# Altium PCB miniBackplane.PcbDoc (part 6 of 24) (continued)
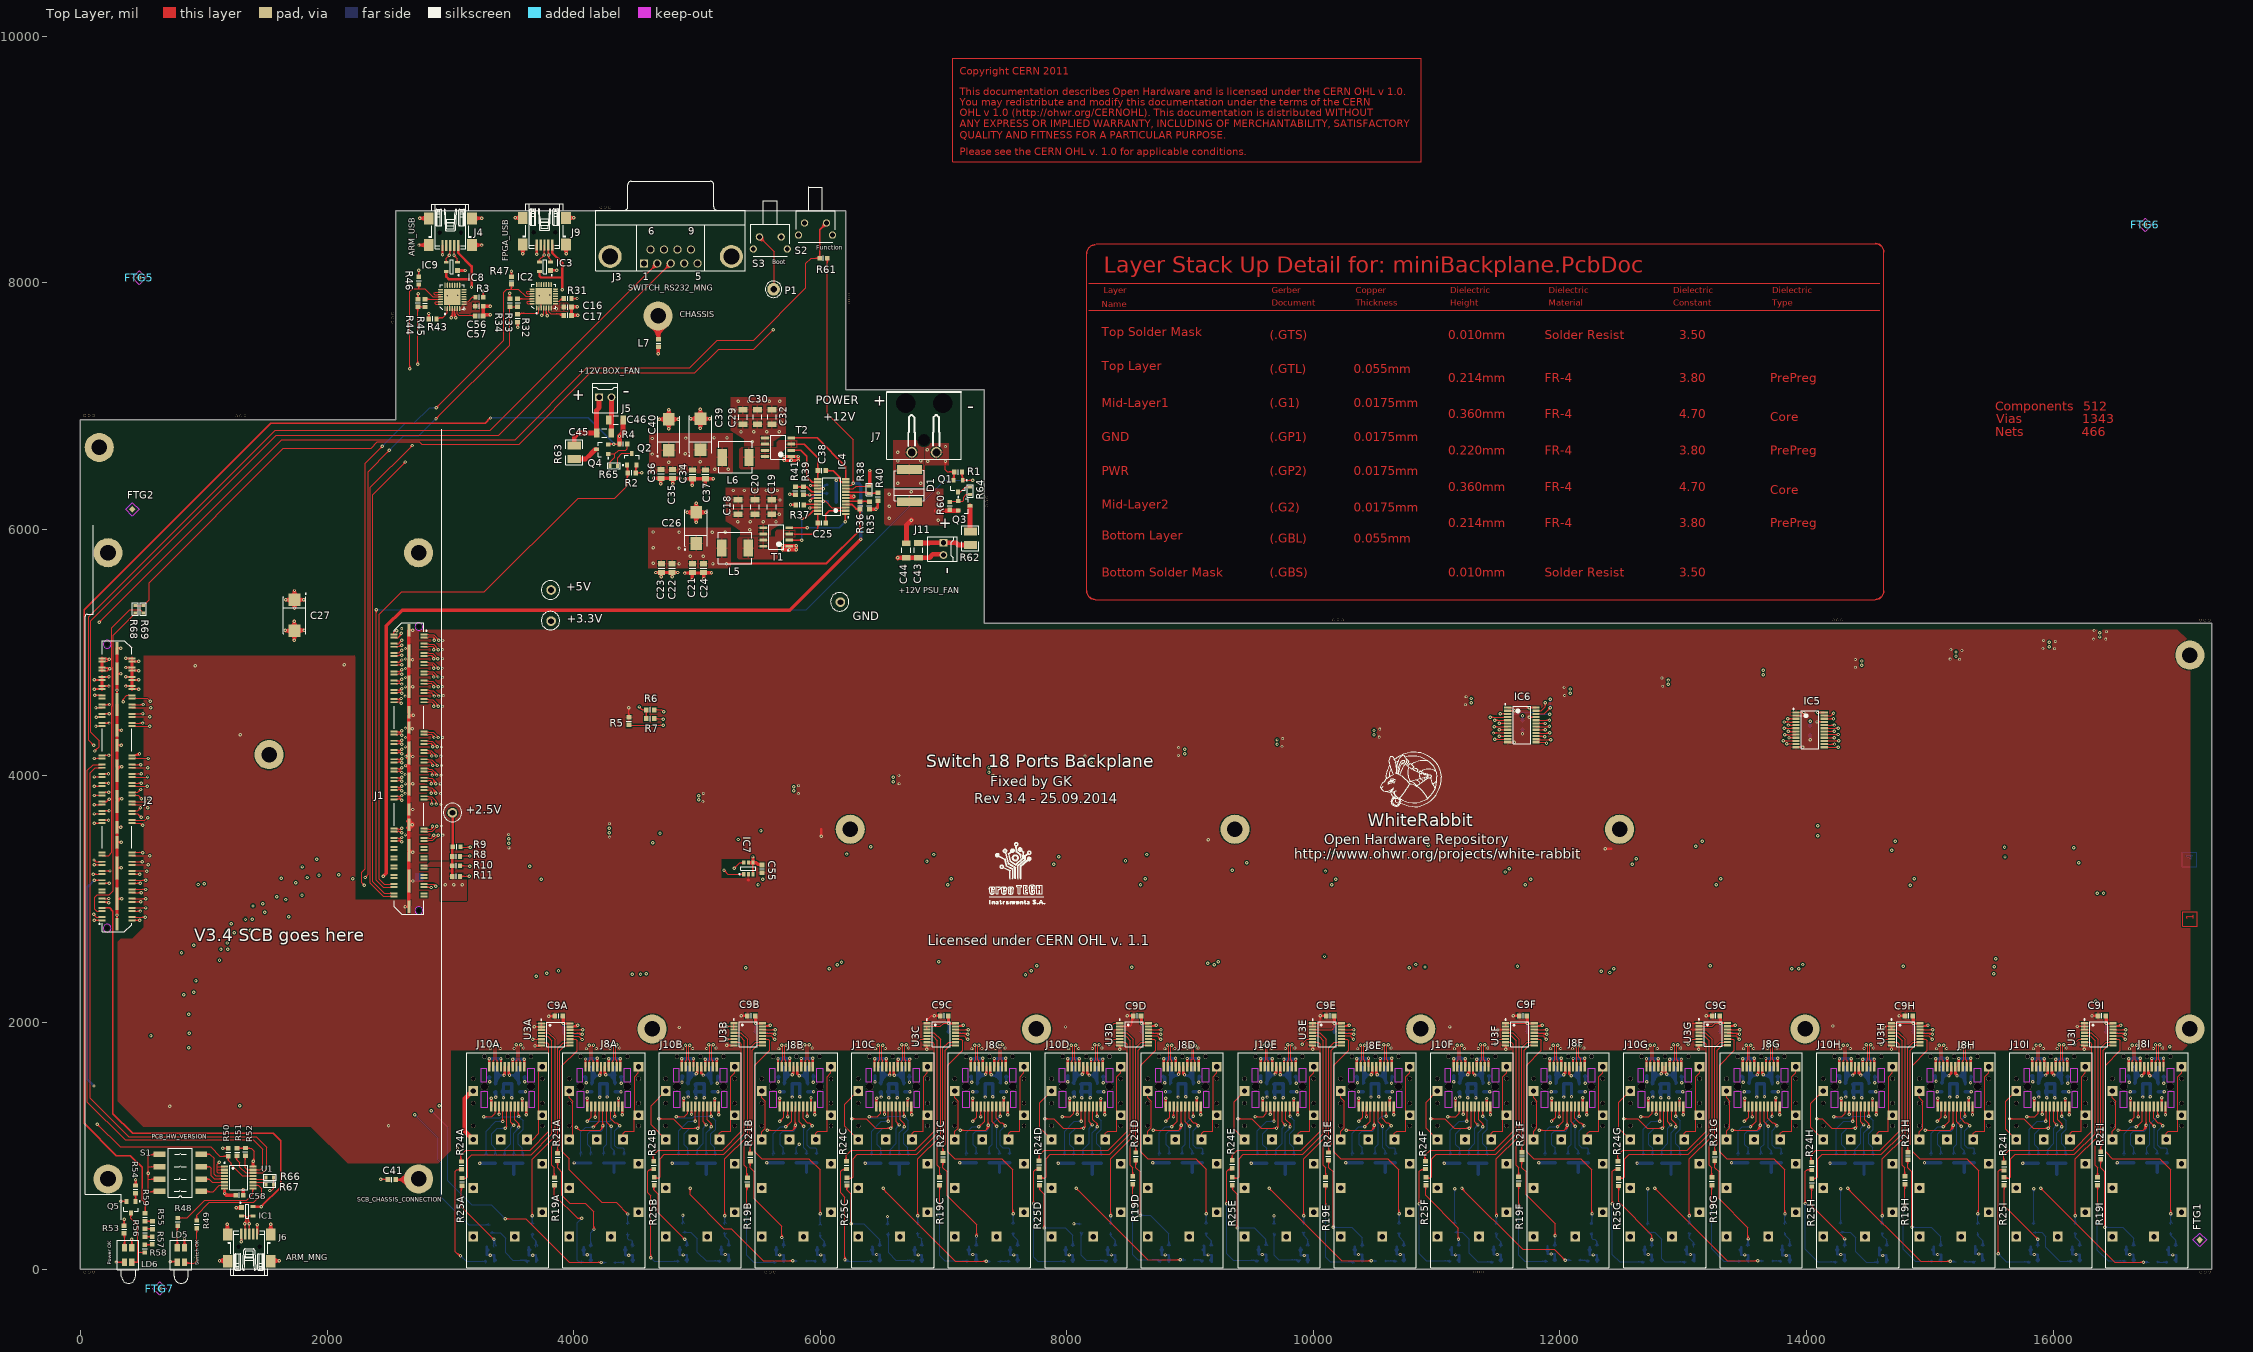
[diagram p0: Top Layer view]
## Nets (pads, with @x,y where several pads share a name; then routed paths per layer and width w, separated by ;. In a path a pad name is that pad's centre, name@x,y a point inside that pad or via, vN(x,y) a via of type N, cw(c..) or ccw(c..) an arc to the next point about the centre after c; other vN are vias at no path point) (continued)
  Mid-Layer 1 w7.09: v1@3157.68,3420.01 ccw(c3174.03,3425.49) 3169.56,3408.84 ; v1@3161.42,3425.2 3211.61,3375 5324,3375 5533.65,3165.35 16291.34,3165.35 v1(16409.45,3047.24) ; 5523.18,3168.93 ccw(c5538.68,3173.08) v1@5534.38,3157.62 ; 7038.28,3165.35 ccw(c7038.28,3190.07) 7055.75,3172.59 cw(c7038.28,3190.07) 7038.28,3165.35 ; 7038.28,3165.35 cw(c7038.28,3140.64) 7055.75,3158.12 ccw(c7038.28,3140.64) 7038.28,3165.35 ; 7087.7,3165.35 ccw(c7087.7,3140.64) 7070.23,3158.12 cw(c7087.7,3140.64) 7087.7,3165.35 ; 7087.7,3165.35 cw(c7087.7,3190.07) 7070.23,3172.59 ccw(c7087.7,3190.07) 7087.7,3165.35 ; 8613.08,3165.35 ccw(c8613.08,3190.07) 8630.56,3172.59 cw(c8613.08,3190.07) 8613.08,3165.35 ; 8613.08,3165.35 cw(c8613.08,3140.64) 8630.56,3158.12 ccw(c8613.08,3140.64) 8613.08,3165.35 ; 8662.51,3165.35 ccw(c8662.51,3140.64) 8645.03,3158.12 cw(c8662.51,3140.64) 8662.51,3165.35 ; 8662.51,3165.35 cw(c8662.51,3190.07) 8645.03,3172.59 ccw(c8662.51,3190.07) 8662.51,3165.35 ; 13278.44,3165.35 ccw(c13278.44,3190.07) 13295.91,3172.59 cw(c13278.44,3190.07) 13278.44,3165.35 ; 13278.44,3165.35 cw(c13278.44,3140.64) 13295.91,3158.12 ccw(c13278.44,3140.64) 13278.44,3165.35 ; 13327.86,3165.35 ccw(c13327.86,3140.64) 13310.39,3158.12 cw(c13327.86,3140.64) 13327.86,3165.35 ; 13327.86,3165.35 cw(c13327.86,3190.07) 13310.39,3172.59 ccw(c13327.86,3190.07) 13327.86,3165.35 ; 14849.3,3165.35 ccw(c14849.3,3190.07) 14866.78,3172.59 cw(c14849.3,3190.07) 14849.3,3165.35 ; 14849.3,3165.35 cw(c14849.3,3140.64) 14866.78,3158.12 ccw(c14849.3,3140.64) 14849.3,3165.35 ; 14898.73,3165.35 ccw(c14898.73,3140.64) 14881.25,3158.12 cw(c14898.73,3140.64) 14898.73,3165.35 ; 14898.73,3165.35 cw(c14898.73,3190.07) 14881.25,3172.59 ccw(c14898.73,3190.07) 14898.73,3165.35 ; 16391.97,3064.72 ccw(c16409.45,3082.19) 16409.45,3057.48 cw(c16409.45,3082.19) 16391.97,3064.72 ; 16391.97,3064.72 cw(c16374.5,3047.24) 16399.21,3047.24 ccw(c16374.5,3047.24) 16391.97,3064.72 ; v1@3161.42,3411.02 cw(c3161.42,3376.81) 3185.61,3401 ccw(c3161.42,3376.81) v1@3161.42,3411.02 ; v1@3161.42,3418.11 cw(c3161.42,3401) 3173.52,3413.1 ccw(c3161.42,3401) v1@3161.42,3418.11 ; v1@3171.65,3421.26 ccw(c3186.86,3421.26) 3176.11,3410.51 cw(c3186.86,3421.26) v1@3171.65,3421.26 ; 5516.44,3182.56 cw(c5495.29,3161.42) 5525.2,3161.42 ccw(c5495.29,3161.42) 5516.44,3182.56 ; 5521.63,3177.37 ccw(c5535.43,3191.18) 5535.43,3171.65 cw(c5535.43,3191.18) 5521.63,3177.37 ; v1@5537.66,3159.19 cw(c5552.54,3144.31) 5552.54,3165.35 ccw(c5552.54,3144.31) v1@5537.66,3159.19 ; v1@5542.67,3154.18 cw(c5569.65,3127.2) 5569.65,3165.35 ccw(c5569.65,3127.2) v1@5542.67,3154.18 ; v1@5542.67,3168.66 ccw(c5550.64,3176.62) 5550.64,3165.35 cw(c5550.64,3176.62) v1@5542.67,3168.66 ; 10146.89,3165.35 cw(c10146.89,3127.2) 10173.86,3154.18 ccw(c10146.89,3127.2) 10146.89,3165.35 ; 10163.99,3165.35 cw(c10163.99,3144.31) 10178.88,3159.19 ccw(c10163.99,3144.31) 10163.99,3165.35 ; 10165.89,3165.35 ccw(c10165.89,3176.62) 10173.86,3168.66 cw(c10165.89,3176.62) 10165.89,3165.35 ; v1@10183.33,3159.19 cw(c10198.21,3144.31) 10198.21,3165.35 ccw(c10198.21,3144.31) v1@10183.33,3159.19 ; v1@10188.34,3154.18 cw(c10215.32,3127.2) 10215.32,3165.35 ccw(c10215.32,3127.2) v1@10188.34,3154.18 ; v1@10188.34,3168.66 ccw(c10196.31,3176.62) 10196.31,3165.35 cw(c10196.31,3176.62) v1@10188.34,3168.66 ; 11729.56,3165.35 cw(c11729.56,3127.2) 11756.54,3154.18 ccw(c11729.56,3127.2) 11729.56,3165.35 ; 11746.67,3165.35 cw(c11746.67,3144.31) 11761.55,3159.19 ccw(c11746.67,3144.31) 11746.67,3165.35 ; 11748.57,3165.35 ccw(c11748.57,3176.62) 11756.54,3168.66 cw(c11748.57,3176.62) 11748.57,3165.35 ; v1@11766.01,3159.19 cw(c11780.89,3144.31) 11780.89,3165.35 ccw(c11780.89,3144.31) v1@11766.01,3159.19 ; v1@11771.02,3154.18 cw(c11798,3127.2) 11798,3165.35 ccw(c11798,3127.2) v1@11771.02,3154.18 ; v1@11771.02,3168.66 ccw(c11778.99,3176.62) 11778.99,3165.35 cw(c11778.99,3176.62) v1@11771.02,3168.66
  Mid-Layer 2 w7.09: v1(346,4601) 438,4601 479,4642 1692,4642 2284,4050 2284,3542.77 2405.51,3421.26 v1(3161.42,3421.26) ; v1(5535.43,3161.42) 5535.43,2094.9 5634.51,1995.82 v1(5634.51,1942) ; v1(7062.99,3165.35) 7062.99,2134.28 7199.51,1997.76 v1(7199.51,1942.01) ; v1(8637.8,3165.35) 8637.8,2126.4 8764.51,1999.69 v1(8764.51,1942.01) ; v1(10181.1,3161.42) 10181.1,2146.09 10329.51,1997.68 v1(10329.51,1942.01) ; v1(11763.78,3161.42) 11763.78,2125.97 11894.08,1995.67 v1(11894.08,1942.01) ; v1(13303.15,3165.35) 13303.15,2157.46 13459.08,2001.54 v1(13459.08,1942.01) ; v1(14874.02,3165.35) 14874.02,2137.78 15024.08,1987.72 v1(15024.08,1942.01) ; v1@16413.39,3035.43 16405.51,3027.56 16405.51,2221.52 16589.08,2037.95 v1(16589.08,1942.01) ; 370.71,4601 ccw(c370.71,4576.29) 353.24,4593.76 cw(c370.71,4576.29) 370.71,4601 ; 370.71,4601 cw(c370.71,4625.71) 353.24,4608.24 ccw(c370.71,4625.71) 370.71,4601 ; 3136.7,3421.26 ccw(c3136.7,3445.97) 3154.18,3428.5 cw(c3136.7,3445.97) 3136.7,3421.26 ; 3136.7,3421.26 cw(c3136.7,3396.55) 3154.18,3414.02 ccw(c3136.7,3396.55) 3136.7,3421.26 ; 5535.43,3136.7 ccw(c5510.72,3136.7) 5528.2,3154.18 cw(c5510.72,3136.7) 5535.43,3136.7 ; 5535.43,3136.7 cw(c5560.15,3136.7) 5542.67,3154.18 ccw(c5560.15,3136.7) 5535.43,3136.7 ; 5634.51,1966.71 ccw(c5659.22,1966.71) 5641.75,1949.24 cw(c5659.22,1966.71) 5634.51,1966.71 ; 5634.51,1966.71 cw(c5609.8,1966.71) 5627.27,1949.24 ccw(c5609.8,1966.71) 5634.51,1966.71 ; 7062.99,3140.64 ccw(c7038.28,3140.64) 7055.75,3158.12 cw(c7038.28,3140.64) 7062.99,3140.64 ; 7062.99,3140.64 cw(c7087.7,3140.64) 7070.23,3158.12 ccw(c7087.7,3140.64) 7062.99,3140.64 ; 7199.51,1966.72 ccw(c7224.22,1966.72) 7206.75,1949.25 cw(c7224.22,1966.72) 7199.51,1966.72 ; 7199.51,1966.72 cw(c7174.8,1966.72) 7192.27,1949.25 ccw(c7174.8,1966.72) 7199.51,1966.72 ; 8637.8,3140.64 ccw(c8613.08,3140.64) 8630.56,3158.12 cw(c8613.08,3140.64) 8637.8,3140.64 ; 8637.8,3140.64 cw(c8662.51,3140.64) 8645.03,3158.12 ccw(c8662.51,3140.64) 8637.8,3140.64 ; 8764.51,1966.72 ccw(c8789.22,1966.72) 8771.75,1949.25 cw(c8789.22,1966.72) 8764.51,1966.72 ; 8764.51,1966.72 cw(c8739.8,1966.72) 8757.27,1949.25 ccw(c8739.8,1966.72) 8764.51,1966.72 ; 10181.1,3136.7 ccw(c10156.39,3136.7) 10173.86,3154.18 cw(c10156.39,3136.7) 10181.1,3136.7 ; 10181.1,3136.7 cw(c10205.81,3136.7) 10188.34,3154.18 ccw(c10205.81,3136.7) 10181.1,3136.7 ; 10329.51,1966.72 ccw(c10354.22,1966.72) 10336.75,1949.25 cw(c10354.22,1966.72) 10329.51,1966.72 ; 10329.51,1966.72 cw(c10304.8,1966.72) 10322.27,1949.25 ccw(c10304.8,1966.72) 10329.51,1966.72 ; 11763.78,3136.7 ccw(c11739.07,3136.7) 11756.54,3154.18 cw(c11739.07,3136.7) 11763.78,3136.7 ; 11763.78,3136.7 cw(c11788.49,3136.7) 11771.02,3154.18 ccw(c11788.49,3136.7) 11763.78,3136.7 ; 11894.08,1966.72 ccw(c11918.79,1966.72) 11901.32,1949.25 cw(c11918.79,1966.72) 11894.08,1966.72 ; 11894.08,1966.72 cw(c11869.37,1966.72) 11886.84,1949.25 ccw(c11869.37,1966.72) 11894.08,1966.72 ; 13303.15,3140.64 ccw(c13278.44,3140.64) 13295.91,3158.12 cw(c13278.44,3140.64) 13303.15,3140.64 ; 13303.15,3140.64 cw(c13327.86,3140.64) 13310.39,3158.12 ccw(c13327.86,3140.64) 13303.15,3140.64 ; 13459.08,1966.72 ccw(c13483.79,1966.72) 13466.32,1949.25 cw(c13483.79,1966.72) 13459.08,1966.72 ; 13459.08,1966.72 cw(c13434.37,1966.72) 13451.84,1949.25 ccw(c13434.37,1966.72) 13459.08,1966.72 ; 14874.02,3140.64 ccw(c14849.3,3140.64) 14866.78,3158.12 cw(c14849.3,3140.64) 14874.02,3140.64 ; 14874.02,3140.64 cw(c14898.73,3140.64) 14881.25,3158.12 ccw(c14898.73,3140.64) 14874.02,3140.64 ; 15024.08,1966.72 ccw(c15048.79,1966.72) 15031.32,1949.25 cw(c15048.79,1966.72) 15024.08,1966.72 ; 15024.08,1966.72 cw(c14999.37,1966.72) 15016.84,1949.25 ccw(c14999.37,1966.72) 15024.08,1966.72 ; 16589.08,1966.72 ccw(c16613.79,1966.72) 16596.32,1949.25 cw(c16613.79,1966.72) 16589.08,1966.72 ; 16589.08,1966.72 cw(c16564.37,1966.72) 16581.84,1949.25 ccw(c16564.37,1966.72) 16589.08,1966.72
FPGA_GPIO0: J2.68 R22I.1 | length 19022.8
  Top Layer w7.87: J2.68@417.94,4428.79 v1(504.79,4428.79) v1@506,4430 ; 448.12,4428.79 ccw(c448.12,4419.29) 441.39,4426.01 cw(c448.12,4419.29) 448.12,4428.79 ; 448.12,4428.79 cw(c448.12,4438.3) 441.39,4431.58 ccw(c448.12,4438.3) 448.12,4428.79 ; 481.03,4428.79 ccw(c481.03,4452.55) 497.83,4435.75 cw(c481.03,4452.55) 481.03,4428.79 ; 481.03,4428.79 cw(c481.03,4405.03) 497.83,4421.83 ccw(c481.03,4405.03) 481.03,4428.79
  Mid-Layer 1 w7.09: v1@1909.45,3328.74 2225.39,3012.8 11282.48,3012.8 11480.31,2814.96 12409.45,2814.96 12547.24,2677.17 14200.79,2677.17 14299.21,2578.74 14980.31,2578.74 ; v1@1916.39,3328.6 cw(c1912.2,3313.24) 1927.59,3317.36 ; 14980.56,2578.98 15106.78,2452.76 v1(15523.62,2452.76) ; 15498.91,2452.76 ccw(c15498.91,2477.47) 15516.38,2459.99 cw(c15498.91,2477.47) 15498.91,2452.76 ; 15498.91,2452.76 cw(c15498.91,2428.04) 15516.38,2445.52 ccw(c15498.91,2428.04) 15498.91,2452.76 ; v1@1915.35,3314.57 cw(c1915.35,3294.61) 1929.47,3308.72 ccw(c1915.35,3294.61) v1@1915.35,3314.57 ; v1@1925.59,3324.8 ccw(c1955.05,3324.8) 1934.22,3303.97 cw(c1955.05,3324.8) v1@1925.59,3324.8
  Mid-Layer 2 w7.09: v1(504.79,4428.79) 505.38,4429.38 810.78,4429.38 v1(1915.35,3324.8) ; v1(15523.62,2452.76) 15570.71,2405.67 15570.71,756.6 15611.75,715.56 15776.75,715.56 v1(15841.75,650.56) ; 1897.88,3342.28 ccw(c1915.35,3359.75) 1915.35,3335.04 cw(c1915.35,3359.75) 1897.88,3342.28 ; 1897.88,3342.28 cw(c1880.41,3324.8) 1905.12,3324.8 ccw(c1880.41,3324.8) 1897.88,3342.28 ; 15541.1,2435.28 ccw(c15523.62,2417.81) 15523.62,2442.52 cw(c15523.62,2417.81) 15541.1,2435.28 ; 15541.1,2435.28 cw(c15558.57,2452.76) 15533.86,2452.76 ccw(c15558.57,2452.76) 15541.1,2435.28 ; 15824.27,668.03 ccw(c15841.75,685.51) 15841.75,660.8 cw(c15841.75,685.51) 15824.27,668.03 ; 15824.27,668.03 cw(c15806.8,650.56) 15831.51,650.56 ccw(c15806.8,650.56) 15824.27,668.03 ; v1@512.03,4421.55 cw(c530.93,4402.65) 530.93,4429.38 ccw(c530.93,4402.65) v1@512.03,4421.55 ; v1@512.03,4436.03 ccw(c528.08,4452.08) 528.08,4429.38 cw(c528.08,4452.08) v1@512.03,4436.03
  Bottom Layer w7.87: R22I.1@15841.75,358.28 v1(15841.75,650.56) ; 15841.75,626.8 ccw(c15817.99,626.8) 15834.79,643.6 cw(c15817.99,626.8) 15841.75,626.8 ; 15841.75,626.8 cw(c15865.51,626.8) 15848.71,643.6 ccw(c15865.51,626.8) 15841.75,626.8 ; R22I.1@15831.85,368.02 ccw(c15807.94,391.92) 15841.75,391.92 cw(c15807.94,391.92) R22I.1@15831.85,368.02 ; 15841.75,391.16 ccw(c15874.48,391.16) 15851.33,368.02 cw(c15874.48,391.16) 15841.75,391.16
FPGA_GPIO1: J2.22 J10I.2 J10I.8 R26I.1 | length 19069.9
  Top Layer w7.87: J2.22@417.94,3203.79 v1(480.79,3203.79) v1@482,3205 ; v1(15786.75,1235.56) 15851.75,1235.56 15879.72,1263.54 J10I.2@15879.72,1320.05 ; v1@16068.7,1240.61 J10I.8@16068.7,1320.05 ; 448.12,3203.79 ccw(c448.12,3194.29) 441.39,3201.01 cw(c448.12,3194.29) 448.12,3203.79 ; 448.12,3203.79 cw(c448.12,3213.3) 441.39,3206.58 ccw(c448.12,3213.3) 448.12,3203.79 ; 457.03,3203.79 ccw(c457.03,3227.55) 473.83,3210.75 cw(c457.03,3227.55) 457.03,3203.79 ; 457.03,3203.79 cw(c457.03,3180.03) 473.83,3196.83 ccw(c457.03,3180.03) 457.03,3203.79 ; 15810.51,1235.56 ccw(c15810.51,1211.8) 15793.71,1228.6 cw(c15810.51,1211.8) 15810.51,1235.56 ; 15810.51,1235.56 cw(c15810.51,1259.32) 15793.71,1242.52 ccw(c15810.51,1259.32) 15810.51,1235.56 ; 15879.72,1274.6 ccw(c15865.47,1274.6) 15875.55,1284.68 cw(c15865.47,1274.6) 15879.72,1274.6 ; 15879.72,1274.6 cw(c15893.98,1274.6) 15883.9,1284.68 ccw(c15893.98,1274.6) 15879.72,1274.6 ; 16068.7,1274.6 ccw(c16054.44,1274.6) 16064.52,1284.68 cw(c16054.44,1274.6) 16068.7,1274.6 ; 16068.7,1274.6 cw(c16082.96,1274.6) 16072.88,1284.68 ccw(c16082.96,1274.6) 16068.7,1274.6 ; v1@16063.73,1245.58 ccw(c16051.74,1257.57) 16068.7,1257.57 cw(c16051.74,1257.57) v1@16063.73,1245.58 ; 16068.7,1267.19 ccw(c16099.26,1267.19) 16077.65,1245.58 cw(c16099.26,1267.19) 16068.7,1267.19
  Mid-Layer 1 w7.09: v1(919,2626) 919,2569.19 1689.96,1798.23 2805.12,1798.23 3355.31,2348.43 15064.96,2348.43 15636.75,1776.64 15636.75,1330.56 15731,1236.31 v1@15786,1236.31 ; 919,2601.29 ccw(c894.29,2601.29) 911.76,2618.76 cw(c894.29,2601.29) 919,2601.29 ; 919,2601.29 cw(c943.71,2601.29) 926.24,2618.76 ccw(c943.71,2601.29) 919,2601.29 ; 15760.23,1236.31 cw(c15760.23,1209.04) 15779.51,1228.32 ccw(c15760.23,1209.04) 15760.23,1236.31 ; 15763.84,1236.31 ccw(c15763.84,1258.47) 15779.51,1242.8 cw(c15763.84,1258.47) 15763.84,1236.31
  Mid-Layer 2 w7.09: v1(480.79,3203.79) 482.17,3202.41 538.59,3202.41 919,2822 v1(919,2626) ; v1@15786.75,1228.53 15922.64,1228.53 15932.73,1238.62 v1(16070.69,1238.62) ; v1@15789.31,1233.73 cw(c15798.49,1227.18) 15804.12,1236.94 ; v1@15794.75,1229.18 cw(c15798.95,1225.84) 15801.62,1230.48 cw(c15806.57,1239.05) v1@15796.83,1237.33 ; v1@15795.08,1229.61 cw(c15804.87,1222.63) 15810.88,1233.04 ; 919,2650.71 ccw(c943.71,2650.71) 926.24,2633.24 cw(c943.71,2650.71) 919,2650.71 ; 919,2650.71 cw(c894.29,2650.71) 911.76,2633.24 ccw(c894.29,2650.71) 919,2650.71 ; 16045.98,1238.62 ccw(c16045.98,1263.33) 16063.45,1245.86 cw(c16045.98,1263.33) 16045.98,1238.62 ; 16045.98,1238.62 cw(c16045.98,1213.91) 16063.45,1231.38 ccw(c16045.98,1213.91) 16045.98,1238.62 ; v1@488.03,3196.55 cw(c502.17,3182.42) 502.17,3202.41 ccw(c502.17,3182.42) v1@488.03,3196.55 ; v1@488.03,3211.03 ccw(c508.84,3231.84) 508.84,3202.41 cw(c508.84,3231.84) v1@488.03,3211.03 ; v1@15788.98,1237.79 ccw(c15811.33,1260.14) 15811.33,1228.53 cw(c15811.33,1260.14) v1@15788.98,1237.79 ; v1@15793.99,1242.8 ccw(c15828.44,1277.25) 15828.44,1228.53 cw(c15828.44,1277.25) v1@15793.99,1242.8
  Bottom Layer w7.87: v1(16070.69,1238.62) 16105.69,1203.62 16105.69,1133.62 16068.7,1096.63 16068.7,1014.93 16100.69,982.94 16100.69,928.21 R26I.1@16106.38,922.53 ; 16087.5,1221.82 ccw(c16070.69,1205.02) 16070.69,1228.78 cw(c16070.69,1205.02) 16087.5,1221.82 ; 16087.49,1221.82 cw(c16104.3,1238.62) 16080.54,1238.62 ccw(c16104.3,1238.62) 16087.49,1221.82 ; R26I.1@16094.67,932.27 ccw(c16080.12,946.82) 16100.69,946.82 cw(c16080.12,946.82) R26I.1@16094.67,932.27 ; 16100.69,945.76 ccw(c16127.64,945.76) 16108.59,926.7 cw(c16127.64,945.76) 16100.69,945.76 ; 16100.69,964.77 ccw(c16146.65,964.77) 16114.15,932.27 cw(c16146.65,964.77) 16100.69,964.77
FPGA_GPIO2: J2.70 R17I.1 | length 20334.3
  Top Layer w7.87: J2.70@417.94,4478.79 418.53,4478.2 562.62,4478.2 v1(563.21,4478.79) v1@566,4476 ; v1@15900.3,652.58 cw(c15896.53,634.16) 15914.68,639.03 ; v1(15900.69,654.5) 16500.07,55.13 v1(16733.32,55.13) ; v1@15902.62,654.9 ccw(c15921.03,658.67) 15916.17,640.51 ; 15917.5,637.7 ccw(c15900.69,620.9) 15900.69,644.66 cw(c15900.69,620.9) 15917.5,637.7 ; 15917.49,637.7 cw(c15934.3,654.5) 15910.54,654.5 ccw(c15934.3,654.5) 15917.49,637.7 ; 16709.56,55.13 ccw(c16709.56,78.89) 16726.36,62.09 cw(c16709.56,78.89) 16709.56,55.13 ; 16709.56,55.13 cw(c16709.56,31.36) 16726.36,48.17 ccw(c16709.56,31.36) 16709.56,55.13 ; J2.70@441.39,4476.01 cw(c446.69,4470.71) 446.69,4478.2 ccw(c446.69,4470.71) J2.70@441.39,4476.01 ; J2.70@441.39,4481.58 ccw(c449.54,4489.72) 449.54,4478.2 cw(c449.54,4489.72) J2.70@441.39,4481.58
  Mid-Layer 1 w7.09: v1@2092.72,3195.6 ccw(c2109.07,3201.08) 2104.6,3184.43 ; v1@2103.84,3193.41 2262.8,3034.45 11308.07,3034.45 11476.38,2866.14 12401.57,2866.14 12547.24,2720.47 14220.47,2720.47 14322.83,2618.11 15011.81,2618.11 15114.17,2515.75 v1(15535.43,2515.75) ; 15510.72,2515.75 ccw(c15510.72,2540.46) 15528.2,2522.99 cw(c15510.72,2540.46) 15510.72,2515.75 ; 15510.72,2515.75 cw(c15510.72,2491.04) 15528.2,2508.51 ccw(c15510.72,2491.04) 15510.72,2515.75 ; v1@2096.46,3186.61 cw(c2096.46,3152.4) 2120.65,3176.59 ccw(c2096.46,3152.4) v1@2096.46,3186.61 ; v1@2096.46,3193.7 cw(c2096.46,3176.59) 2108.55,3188.69 ccw(c2096.46,3176.59) v1@2096.46,3193.7 ; v1@2106.69,3196.85 ccw(c2121.9,3196.85) 2111.15,3186.1 cw(c2121.9,3196.85) v1@2106.69,3196.85
  Mid-Layer 2 w7.09: v1(563.21,4478.79) 814.52,4478.79 v1(2096.46,3196.85) ; v1(15535.43,2515.75) 15595.71,2455.47 15595.71,771.6 15625.5,741.81 15815.5,741.81 v1@15901.75,655.56 ; 15888.45,662 ccw(c15903.92,666.14) v1@15899.64,650.71 ; 587.92,4478.79 ccw(c587.92,4454.08) 570.45,4471.55 cw(c587.92,4454.08) 587.92,4478.79 ; 587.92,4478.79 cw(c587.92,4503.5) 570.45,4486.03 ccw(c587.92,4503.5) 587.92,4478.79 ; 2078.98,3214.32 ccw(c2096.46,3231.8) 2096.46,3207.09 cw(c2096.46,3231.8) 2078.98,3214.32 ; 2078.98,3214.32 cw(c2061.51,3196.85) 2086.22,3196.85 ccw(c2061.51,3196.85) 2078.98,3214.32 ; 15552.91,2498.27 ccw(c15535.43,2480.8) 15535.43,2505.51 cw(c15535.43,2480.8) 15552.91,2498.27 ; 15552.91,2498.27 cw(c15570.38,2515.75) 15545.67,2515.75 ccw(c15570.38,2515.75) 15552.91,2498.27 ; 15881.73,675.58 cw(c15860.65,654.5) 15890.46,654.5 ccw(c15860.65,654.5) 15881.73,675.58 ; 15886.82,670.49 ccw(c15900.69,684.36) 15900.69,664.74 cw(c15900.69,684.36) 15886.82,670.49
  Bottom Layer w7.87: v1(16733.32,55.13) R17I.1@16780.57,55.13 ; R17I.1@16760.06,62.61 cw(c16744.34,69.47) 16748.78,52.9 cw(c16752.03,40.78) R17I.1@16761.88,48.56 ; v1@16739.1,63.09 ccw(c16749.5,77.44) 16754.08,60.33 ; v1@16739.1,63.09 ccw(c16749.5,77.44) 16754.08,60.33 ; v1@16739.1,63.09 ccw(c16749.5,77.44) 16754.08,60.33 ; v1@16741.01,48.98 cw(c16749.83,41.92) 16752.75,52.83 ; v1@16741.01,48.98 cw(c16749.83,41.92) 16752.75,52.83 ; v1@16741.01,48.98 cw(c16749.83,41.92) 16752.75,52.83 ; v1@16741.85,60.05 ccw(c16754.12,67.13) 16750.45,53.45 ; v1@16741.85,60.05 ccw(c16754.12,67.13) 16750.45,53.45 ; v1@16741.85,60.05 ccw(c16754.12,67.13) 16750.45,53.45 ; v1@16742.08,50.63 cw(c16759,41.96) 16754.08,60.33 ; v1@16742.08,50.63 cw(c16759,41.96) 16754.08,60.33 ; v1@16742.08,50.63 cw(c16759,41.96) 16754.08,60.33 ; R17I.1@16757.08,55.13 ccw(c16757.08,31.36) 16740.28,48.17 cw(c16757.08,31.36) R17I.1@16757.08,55.13 ; R17I.1@16757.08,55.13 cw(c16757.08,78.89) 16740.28,62.09 ccw(c16757.08,78.89) R17I.1@16757.08,55.13 ; v1@16734.67,55.13 ccw(c16734.67,95.11) 16762.95,66.84 cw(c16734.67,95.11) v1@16734.67,55.13 ; v1@16744.18,55.13 cw(c16744.18,28.58) 16762.95,47.35 ccw(c16744.18,28.58) v1@16744.18,55.13 ; 16753.68,55.13 ccw(c16753.68,76.1) 16768.52,61.27 cw(c16753.68,76.1) 16753.68,55.13
FPGA_GPIO3: J2.72 J8I.2 J8I.8 R12I.1 | length 20034.4
  Top Layer w7.87: J2.72@417.94,4503.79 v1(507.21,4503.79) v1@509,4502 ; v1@16626.35,1201.61 ccw(c16622.58,1220.02) 16640.74,1215.15 ; v1(16626.75,1199.68) 16659.72,1232.65 J8I.2@16659.72,1320.05 ; v1@16628.68,1199.28 cw(c16647.09,1195.51) 16642.23,1213.67 ; v1(16850.69,1238.62) J8I.8@16850.69,1318.06 ; 448.12,4503.79 ccw(c448.12,4494.29) 441.39,4501.01 cw(c448.12,4494.29) 448.12,4503.79 ; 448.12,4503.79 cw(c448.12,4513.3) 441.39,4506.58 ccw(c448.12,4513.3) 448.12,4503.79 ; 483.45,4503.79 ccw(c483.45,4527.55) 500.25,4510.75 cw(c483.45,4527.55) 483.45,4503.79 ; 483.45,4503.79 cw(c483.45,4480.03) 500.25,4496.83 ccw(c483.45,4480.03) 483.45,4503.79 ; 16643.55,1216.48 ccw(c16660.35,1199.68) 16636.59,1199.68 cw(c16660.35,1199.68) 16643.55,1216.48 ; 16643.55,1216.48 cw(c16626.75,1233.28) 16626.75,1209.52 ccw(c16626.75,1233.28) 16643.55,1216.48 ; 16659.72,1274.6 ccw(c16645.47,1274.6) 16655.55,1284.68 cw(c16645.47,1274.6) 16659.72,1274.6 ; 16659.72,1274.6 cw(c16673.98,1274.6) 16663.9,1284.68 ccw(c16673.98,1274.6) 16659.72,1274.6 ; 16850.69,1262.38 ccw(c16874.45,1262.38) 16857.65,1245.58 cw(c16874.45,1262.38) 16850.69,1262.38 ; 16850.69,1262.38 cw(c16826.93,1262.38) 16843.73,1245.58 ccw(c16826.93,1262.38) 16850.69,1262.38 ; J8I.8@16844.52,1284.68 cw(c16829.63,1269.79) 16850.69,1269.79 ccw(c16829.63,1269.79) J8I.8@16844.52,1284.68
  Mid-Layer 1 w7.09: v1(2207.68,3166.34) 2315.94,3058.07 12272.64,3058.07 12566.93,2763.78 14232.07,2763.78 14338.37,2657.48 15035.43,2657.48 15129.92,2562.99 15645.67,2562.99 15799.21,2409.45 16018.94,2409.45 16259.09,2169.29 v1@16334.65,2169.29 ; 2225.15,3148.86 ccw(c2207.68,3131.39) 2207.68,3156.1 cw(c2207.68,3131.39) 2225.15,3148.86 ; 2225.15,3148.86 cw(c2242.63,3166.34) 2217.91,3166.34 ccw(c2242.63,3166.34) 2225.15,3148.86 ; 16312.51,2169.29 ccw(c16312.51,2207.47) 16339.51,2180.47 cw(c16312.51,2207.47) 16312.51,2169.29 ; 16329.62,2169.29 ccw(c16329.62,2190.36) 16344.52,2175.46 cw(c16329.62,2190.36) 16329.62,2169.29 ; 16331.56,2169.29 cw(c16331.56,2158.05) 16339.51,2166 ccw(c16331.56,2158.05) 16331.56,2169.29
  Mid-Layer 2 w7.09: v1(507.21,4503.79) 507.8,4504.38 869.63,4504.38 v1(2207.68,3166.34) ; v1(16346.75,2173.24) 16346.75,1897.35 16396.75,1847.35 16396.75,1350.56 16548.68,1198.62 16810.69,1198.62 v1(16850.69,1238.62) ; 2190.2,3183.81 ccw(c2207.68,3201.29) 2207.68,3176.57 cw(c2207.68,3201.29) 2190.2,3183.81 ; 2190.2,3183.81 cw(c2172.73,3166.34) 2197.44,3166.34 ccw(c2172.73,3166.34) 2190.2,3183.81 ; 16346.75,2148.52 ccw(c16322.04,2148.52) 16339.51,2166 cw(c16322.04,2148.52) 16346.75,2148.52 ; 16346.75,2148.52 cw(c16371.46,2148.52) 16353.99,2166 ccw(c16371.46,2148.52) 16346.75,2148.52 ; 16833.22,1221.15 ccw(c16815.74,1238.62) 16840.46,1238.62 cw(c16815.74,1238.62) 16833.22,1221.15 ; 16833.22,1221.15 cw(c16850.69,1203.67) 16850.69,1228.39 ccw(c16850.69,1203.67) 16833.22,1221.15 ; v1@514.45,4496.55 cw(c533.35,4477.65) 533.35,4504.38 ccw(c533.35,4477.65) v1@514.45,4496.55 ; v1@514.45,4511.03 ccw(c530.5,4527.08) 530.5,4504.38 cw(c530.5,4527.08) v1@514.45,4511.03 ; 16599.49,1198.62 ccw(c16599.49,1226.94) 16619.51,1206.92 cw(c16599.49,1226.94) 16599.49,1198.62 ; 16604.58,1198.62 cw(c16604.58,1177.51) 16619.51,1192.44 ccw(c16604.58,1177.51) 16604.58,1198.62 ; v1@16633.99,1192.44 cw(c16648.91,1177.51) 16648.91,1198.62 ccw(c16648.91,1177.51) v1@16633.99,1192.44 ; v1@16633.99,1206.92 ccw(c16654.01,1226.94) 16654.01,1198.62 cw(c16654.01,1226.94) v1@16633.99,1206.92
  Bottom Layer w7.87: R12I.1@16760.69,925.12 16760.69,988.62 16785.69,1013.62 16785.69,1173.62 v1(16850.69,1238.62) ; 16760.69,958.38 ccw(c16793.96,958.38) 16770.44,934.86 cw(c16793.96,958.38) 16760.69,958.38 ; 16760.69,958.38 cw(c16727.43,958.38) 16750.95,934.86 ccw(c16727.43,958.38) 16760.69,958.38 ; 16833.89,1221.82 ccw(c16817.09,1238.62) 16840.85,1238.62 cw(c16817.09,1238.62) 16833.89,1221.82 ; 16833.89,1221.82 cw(c16850.69,1205.02) 16850.69,1228.78 ccw(c16850.69,1205.02) 16833.89,1221.82
FPGA_GPIO4: J2.62 R22H.1 | length 17454.8
  Top Layer w7.87: J2.62@417.94,4141.29 v1(549.71,4141.29) v1@554,4137 ; 448.12,4141.29 ccw(c448.12,4131.79) 441.39,4138.51 cw(c448.12,4131.79) 448.12,4141.29 ; 448.12,4141.29 cw(c448.12,4150.8) 441.39,4144.08 ccw(c448.12,4150.8) 448.12,4141.29
  Mid-Layer 1 w7.09: v1(1840.55,3176.18) 2233.27,2783.46 2765.75,2783.46 2911.42,2929.13 8301.18,2929.13 8335.63,2894.68 11184.06,2894.68 11417.32,2661.42 12370.08,2661.42 12511.81,2519.68 13909.45,2519.68 13935.71,2493.43 v1(13935.71,2435) ; 1858.03,3158.71 ccw(c1840.55,3141.23) 1840.55,3165.94 cw(c1840.55,3141.23) 1858.03,3158.71 ; 1858.03,3158.71 cw(c1875.5,3176.18) 1850.79,3176.18 ccw(c1875.5,3176.18) 1858.03,3158.71 ; 13935.71,2459.71 ccw(c13960.42,2459.71) 13942.95,2442.24 cw(c13960.42,2459.71) 13935.71,2459.71 ; 13935.71,2459.71 cw(c13911,2459.71) 13928.47,2442.24 ccw(c13911,2459.71) 13935.71,2459.71
  Mid-Layer 2 w7.09: v1(549.71,4141.29) 875.44,4141.29 v1(1840.55,3176.18) ; v1(13935.71,2435) 13935.71,2132.56 13834.65,2031.5 13834.65,1866.13 14006.75,1694.02 14006.75,755.56 14046.75,715.56 14211.75,715.56 v1(14276.75,650.56) ; 574.42,4141.29 ccw(c574.42,4116.58) 556.95,4134.05 cw(c574.42,4116.58) 574.42,4141.29 ; 574.42,4141.29 cw(c574.42,4166) 556.95,4148.53 ccw(c574.42,4166) 574.42,4141.29 ; 1823.08,3193.66 ccw(c1840.55,3211.13) 1840.55,3186.42 cw(c1840.55,3211.13) 1823.08,3193.66 ; 1823.08,3193.66 cw(c1805.6,3176.18) 1830.31,3176.18 ccw(c1805.6,3176.18) 1823.08,3193.66 ; 13935.71,2410.29 ccw(c13911,2410.29) 13928.47,2427.76 cw(c13911,2410.29) 13935.71,2410.29 ; 13935.71,2410.29 cw(c13960.42,2410.29) 13942.95,2427.76 ccw(c13960.42,2410.29) 13935.71,2410.29 ; 14259.27,668.03 ccw(c14276.75,685.51) 14276.75,660.8 cw(c14276.75,685.51) 14259.27,668.03 ; 14259.27,668.03 cw(c14241.8,650.56) 14266.51,650.56 ccw(c14241.8,650.56) 14259.27,668.03
  Bottom Layer w7.87: R22H.1@14276.75,362.21 v1(14276.75,650.56) ; 14276.75,626.8 ccw(c14252.99,626.8) 14269.79,643.6 cw(c14252.99,626.8) 14276.75,626.8 ; 14276.75,626.8 cw(c14300.51,626.8) 14283.71,643.6 ccw(c14300.51,626.8) 14276.75,626.8 ; R22H.1@14267.79,371.96 ccw(c14246.17,393.58) 14276.75,393.58 cw(c14246.17,393.58) R22H.1@14267.79,371.96 ; 14276.75,397.38 ccw(c14312.7,397.38) 14287.28,371.96 cw(c14312.7,397.38) 14276.75,397.38